# Altium PCB UltraZOhm_CarrierBoard.PcbDoc (part 5 of 12) (continued)
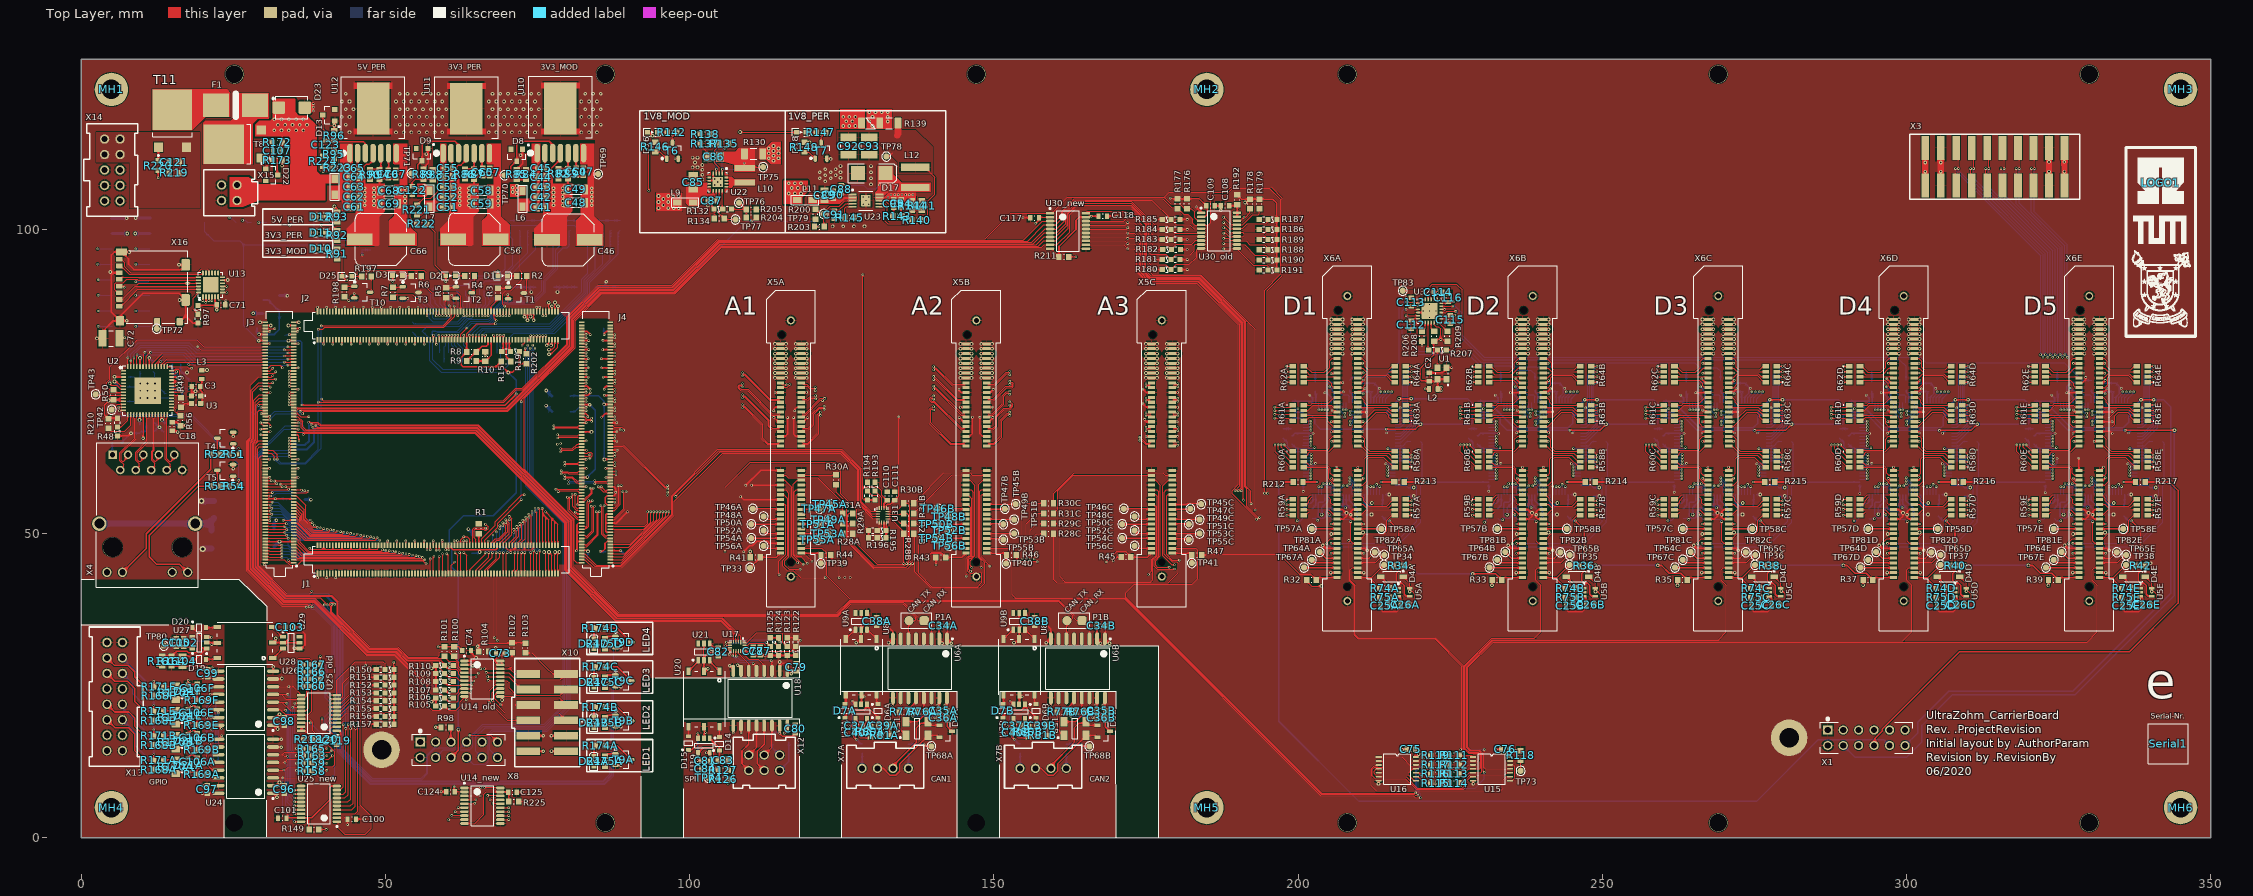
[diagram p0: Top Layer view]
## Nets (pads, with @x,y where several pads share a name; then routed paths per layer and width w, separated by ;. In a path a pad name is that pad's centre, name@x,y a point inside that pad or via, vN(x,y) a via of type N, cw(c..) or ccw(c..) an arc to the next point about the centre after c; other vN are vias at no path point) (continued)
  L04_Sig w0.1: v2(58.9,47.3) 58.9,46.7 59.2,46.4 59.2,45.3 60.4,44.1 111.6,44.1 115.5,48 181.969,48 203.669,26.3 249.063,26.3 256,33.237 256,58.163 257.837,60 v1(263.06,60)
  Bottom Layer w0.1: U4C.5@261.817,59.988 263.048,59.988 v1(263.06,60)
DIG_03_CH4: J3.28 U4D.5 | length 309.4
  Top Layer w0.1: J3.28@30.287,51.736 33.664,51.736 v1(33.75,51.65)
  L04_Sig w0.1: v1(44.85,49.95) 44.85,47.95 54.7,38.1 183.343,38.1 201.243,20.2 254.657,20.2 264.757,30.3 282.34,30.3 286.6,34.56 286.6,58.337 288.263,60 v1(293.54,60)
  Bottom Layer w0.1: v1(33.75,51.65) 34,51.65 35.95,49.7 44.6,49.7 v1(44.85,49.95) ; U4D.5@292.297,59.988 293.528,59.988 v1(293.54,60)
DIG_03_CH5: U4E.5 X3.4 | length 69.6
  Top Layer w0.1: X3.4@310.677,113.41 311,113.087 v1(311,110)
  L04_Sig w0.1: v1(323.199,79) 323.199,78.801 323.7,78.3 324.049,78.3 331.8,70.549 331.8,63.251 329.949,61.4 325.153,61.4 324.526,60.774 324.526,60.506 v1(324.02,60)
  Bottom Layer w0.1: v1(311,110) 311,108.397 323.199,96.198 v1(323.199,79) ; U4E.5@322.777,59.988 324.008,59.988 v1(324.02,60)
DIG_04_CH1: J4.85 U4A.6 | length 119.1
  Top Layer w0.1: J4.85@86.957,66.236 87.664,66.236 v2(87.7,66.2)
  L04_Sig w0.1: v2(87.7,66.2) 92.2,66.2 98.2,60.2 201.75,60.2 v1(202.1,60.55)
  Bottom Layer w0.1: U4A.6@200.857,60.488 202.038,60.488 v1(202.1,60.55)
DIG_04_CH2: J1.135 U4B.6 | length 204.3
  Top Layer w0.1: J1.135@72.372,43.451 72.372,46.872 v1(72.4,46.9)
  L04_Sig w0.1: v1(72.6,51.7) 72.6,51.483 72.883,51.2 109.886,51.2 112.886,54.2 184.592,54.2 206.292,32.5 220.357,32.5 225.4,37.543 225.4,58.849 226.751,60.2 232.23,60.2 v1(232.58,60.55)
  Bottom Layer w0.1: v1(72.4,46.9) 72.6,47.1 v1(72.6,51.7) ; U4B.6@231.337,60.488 232.518,60.488 v1(232.58,60.55)
DIG_04_CH3: J1.83 U4C.6 | length 249.3
  Top Layer w0.1: J1.83@59.372,43.451 59.4,43.479 v1(59.4,46.7)
  L04_Sig w0.1: v1(59.4,46.7) 59.4,45.4 60.5,44.3 111.517,44.3 115.417,48.2 182.051,48.2 203.751,26.5 248.98,26.5 255.8,33.32 255.8,58.246 257.754,60.2 262.71,60.2 v1(263.06,60.55)
  Bottom Layer w0.1: U4C.6@261.817,60.488 262.998,60.488 v1(263.06,60.55)
DIG_04_CH4: J3.27 U4D.6 | length 305.1
  Top Layer w0.1: J3.27@34.957,51.736 35.414,51.736 37.6,49.55 45.1,49.55 45.4,49.85 v1(45.4,49.95)
  L04_Sig w0.1: v1(45.4,49.95) 45.4,47.7 54.8,38.3 183.426,38.3 201.326,20.4 254.574,20.4 264.674,30.5 282.257,30.5 286.4,34.643 286.4,58.42 288.18,60.2 293.19,60.2 v1(293.54,60.55)
  Bottom Layer w0.1: U4D.6@292.297,60.488 293.478,60.488 v1(293.54,60.55)
DIG_04_CH5: U4E.6 X3.14 | length 68.6
  Top Layer w0.1: v1(310.5,110) 310.5,107.364 X3.14@310.677,107.187
  L04_Sig w0.1: v1(322.8,79.4) 322.8,78.8 323.5,78.1 323.966,78.1 331.6,70.466 331.6,63.334 329.866,61.6 325.07,61.6 v1(324.02,60.55)
  Bottom Layer w0.1: v1(310.5,110) 310.5,108.331 322.8,96.031 v1(322.8,79.4) ; U4E.6@322.777,60.488 323.958,60.488 v1(324.02,60.55)
DIG_05_CH1: J4.102 U4A.8 | length 125.7
  Top Layer w0.1: J4.102@82.287,70.236 82.99,70.236 v2(83,70.226)
  L04_Sig w0.1: v2(83,70.226) 83.542,70.226 86.125,67.643 91.057,67.643 98.3,60.4 201.05,60.4 v1(202.15,61.5)
  Bottom Layer w0.1: U4A.8@200.857,61.488 202.138,61.488 v1(202.15,61.5)
DIG_05_CH2: J1.136 U4B.8 | length 200.8
  Top Layer w0.1: J1.136@72.372,48.121 72.372,48.572 73,49.2 73,51.8 v1(72.6,52.2)
  L04_Sig w0.1: v1(72.6,52.2) 73.4,51.4 109.803,51.4 112.803,54.4 184.675,54.4 206.375,32.7 220.274,32.7 225.2,37.626 225.2,58.931 226.669,60.4 231.53,60.4 v1(232.63,61.5)
  Bottom Layer w0.1: U4B.8@231.337,61.488 232.618,61.488 v1(232.63,61.5)
DIG_05_CH3: J1.86 U4C.8 | length 247.5
  Top Layer w0.1: J1.86@59.872,48.121 59.9,48.093 v2(59.9,47.35)
  L04_Sig w0.1: v2(59.9,47.35) 59.9,47.05 59.75,46.9 59.75,45.35 60.6,44.5 111.434,44.5 115.334,48.4 182.134,48.4 203.834,26.7 248.897,26.7 255.6,33.403 255.6,58.328 257.672,60.4 262.01,60.4 v1(263.11,61.5)
  Bottom Layer w0.1: U4C.8@261.817,61.488 263.098,61.488 v1(263.11,61.5)
DIG_05_CH4: J3.26 U4D.8 | length 309.7
  Top Layer w0.1: J3.26@30.287,51.236 33.364,51.236 v1(33.5,51.1)
  L04_Sig w0.1: v1(45.95,49.75) 45.95,47.45 54.9,38.5 183.509,38.5 201.409,20.6 254.491,20.6 264.591,30.7 282.174,30.7 286.2,34.726 286.2,58.503 288.097,60.4 292.49,60.4 v1(293.59,61.5)
  Bottom Layer w0.1: v1(33.5,51.1) 34.25,51.1 35.85,49.5 45.7,49.5 v1(45.95,49.75) ; U4D.8@292.297,61.488 293.578,61.488 v1(293.59,61.5)
DIG_05_CH5: U4E.8 X3.3 | length 69.4
  Top Layer w0.1: X3.3@308.137,113.41 308.5,113.047 v1(308.5,110)
  L04_Sig w0.1: v1(322.4,79) 322.4,78.8 323.4,77.8 323.983,77.8 331.4,70.383 331.4,63.417 329.783,61.8 324.37,61.8 v1(324.07,61.5)
  Bottom Layer w0.1: v1(308.5,110) 308.5,109.766 322.4,95.866 v1(322.4,79) ; U4E.8@322.777,61.488 324.058,61.488 v1(324.07,61.5)
DIG_06_CH1: J4.104 U4A.9 | length 125.9
  Top Layer w0.1: J4.104@82.287,70.736 82.99,70.736 v2(83,70.746)
  L04_Sig w0.1: v2(83,70.746) 83.305,70.746 86.208,67.843 91.157,67.843 98.4,60.6 200.75,60.6 v1(202.15,62)
  Bottom Layer w0.1: U4A.9@200.857,61.988 202.138,61.988 v1(202.15,62)
DIG_06_CH2: J1.137 U4B.9 | length 204.8
  Top Layer w0.1: J1.137@72.872,43.451 72.9,43.479 v1(72.9,46.9)
  L04_Sig w0.1: v1(73.1,52.2) 73.1,52 73.5,51.6 109.72,51.6 112.72,54.6 184.757,54.6 206.457,32.9 220.191,32.9 225,37.709 225,59.014 226.586,60.6 231.23,60.6 v1(232.63,62)
  Bottom Layer w0.1: v1(72.9,46.9) 73.1,47.1 v1(73.1,52.2) ; U4B.9@231.337,61.988 232.618,61.988 v1(232.63,62)
DIG_06_CH3: J1.87 U4C.9 | length 249.1
  Top Layer w0.1: v1(60.1,46.7) 60.372,46.428 J1.87@60.372,43.451
  L04_Sig w0.1: v1(60.1,46.7) 60.1,45.3 60.7,44.7 111.351,44.7 115.251,48.6 182.217,48.6 203.917,26.9 248.814,26.9 255.4,33.486 255.4,58.411 257.589,60.6 261.71,60.6 v1(263.11,62)
  Bottom Layer w0.1: U4C.9@261.817,61.988 263.098,61.988 v1(263.11,62)
DIG_06_CH4: J3.25 U4D.9 | length 305.3
  Top Layer w0.1: J3.25@34.957,51.236 35.364,51.236 37.25,49.35 46.15,49.35 v1(46.5,49.7)
  L04_Sig w0.1: v1(46.5,49.7) 46.5,47.2 55,38.7 183.592,38.7 201.492,20.8 254.408,20.8 264.508,30.9 282.091,30.9 286,34.809 286,58.586 288.014,60.6 292.19,60.6 v1(293.59,62)
  Bottom Layer w0.1: U4D.9@292.297,61.988 293.578,61.988 v1(293.59,62)
DIG_06_CH5: U4E.9 X3.13 | length 68.4
  Top Layer w0.1: v1(308,110) 308,107.324 X3.13@308.137,107.187
  L04_Sig w0.1: v1(321.999,79.4) 321.999,78.801 323.2,77.6 323.9,77.6 331.2,70.3 331.2,63.5 329.7,62 v1(324.07,62)
  Bottom Layer w0.1: v1(308,110) 308,109.7 321.999,95.701 v1(321.999,79.4) ; U4E.9@322.777,61.988 324.058,61.988 v1(324.07,62)
DIG_07_CH1: J4.95 U4A.10 | length 120.5
  Top Layer w0.1: J4.95@86.957,68.736 87.664,68.736 v2(87.7,68.7)
  L04_Sig w0.1: v2(87.7,68.7) 90.6,68.7 98.5,60.8 200.45,60.8 v1(202.15,62.5)
  Bottom Layer w0.1: U4A.10@200.857,62.488 202.138,62.488 v1(202.15,62.5)
DIG_07_CH2: J1.140 U4B.10 | length 201.4
  Top Layer w0.1: v1(73.1,52.7) 73.5,52.3 73.5,48.249 J1.140@73.372,48.121 J1.140@73.372,48.431
  L04_Sig w0.1: v1(73.1,52.7) 73.5,52.3 73.5,52 73.7,51.8 109.637,51.8 112.637,54.8 184.84,54.8 206.54,33.1 220.108,33.1 224.8,37.792 224.8,59.097 226.503,60.8 230.93,60.8 v1(232.63,62.5)
  Bottom Layer w0.1: U4B.10@231.337,62.488 232.618,62.488 v1(232.63,62.5)
DIG_07_CH3: J1.88 U4C.10 | length 246.9
  Top Layer w0.1: J1.88@60.372,48.121 60.372,47.428 v2(60.45,47.35)
  L04_Sig w0.1: v2(60.45,47.35) 60.45,45.25 60.8,44.9 111.269,44.9 115.169,48.8 182.3,48.8 204,27.1 248.731,27.1 255.2,33.569 255.2,58.494 257.506,60.8 261.41,60.8 v1(263.11,62.5)
  Bottom Layer w0.1: U4C.10@261.817,62.488 263.098,62.488 v1(263.11,62.5)
DIG_07_CH4: J3.24 U4D.10 | length 309.8
  Top Layer w0.1: J3.24@30.287,50.736 33.714,50.736 v2(33.8,50.65)
  L04_Sig w0.1: v1(47.05,49.6) 47.05,46.95 55.1,38.9 183.675,38.9 201.575,21 254.325,21 264.425,31.1 282.008,31.1 285.8,34.892 285.8,58.669 287.931,60.8 291.89,60.8 v1(293.59,62.5)
  Bottom Layer w0.1: v2(33.8,50.65) 34.4,50.65 35.75,49.3 46.75,49.3 v1(47.05,49.6) ; U4D.10@292.297,62.488 293.578,62.488 v1(293.59,62.5)
DIG_07_CH5: J1.119 U4E.10 | length 308.8
  Top Layer w0.1: J1.119@68.372,43.451 68.372,32.528 v1(68.4,32.5)
  L04_Sig w0.1: v1(68.4,32.5) 68.8,32.9 181.189,32.9 199.089,15 256.883,15 266.983,25.1 289.508,25.1 296.008,31.6 312.608,31.6 317.8,36.792 317.8,59.992 318.608,60.8 322.37,60.8 v1(324.07,62.5)
  Bottom Layer w0.1: U4E.10@322.777,62.488 324.058,62.488 v1(324.07,62.5)
DIG_08_CH1: J4.97 U4A.11 | length 120.7
  Top Layer w0.1: J4.97@86.957,69.236 87.664,69.236 v2(87.7,69.2)
  L04_Sig w0.1: v2(87.7,69.2) 90.4,69.2 98.6,61 200.15,61 v1(202.15,63)
  Bottom Layer w0.1: U4A.11@200.857,62.988 202.138,62.988 v1(202.15,63)
DIG_08_CH2: J1.141 U4B.11 | length 205.3
  Top Layer w0.1: J1.141@73.872,43.451 73.872,46.872 v1(73.9,46.9)
  L04_Sig w0.1: v1(73.6,52.7) 73.7,52.6 73.7,52.2 73.9,52 109.554,52 112.554,55 184.923,55 206.623,33.3 220.025,33.3 224.6,37.875 224.6,59.18 226.42,61 230.63,61 v1(232.63,63)
  Bottom Layer w0.1: v1(73.6,52.7) 73.6,47.2 v1(73.9,46.9) ; U4B.11@231.337,62.988 232.618,62.988 v1(232.63,63)
DIG_08_CH3: J1.89 U4C.11 | length 245.3
  Top Layer w0.1: J1.89@60.9,43.479 J1.89@60.872,43.451 60.872,44.822 v1(61.4,45.35)
  L04_Sig w0.1: v1(61.4,45.35) 61.65,45.1 111.186,45.1 115.086,49 182.438,49 204.138,27.3 248.649,27.3 255,33.651 255,58.577 257.423,61 261.11,61 ; 261.11,61 v1(263.11,63)
  Bottom Layer w0.1: U4C.11@261.817,62.988 263.098,62.988 v1(263.11,63)
DIG_08_CH4: J3.23 U4D.11 | length 305.3
  Top Layer w0.1: J3.23@34.957,50.736 35.364,50.736 36.95,49.15 47.25,49.15 v1(47.6,49.5)
  L04_Sig w0.1: v1(47.6,49.5) 47.6,46.7 55.2,39.1 183.757,39.1 201.657,21.2 254.243,21.2 264.343,31.3 281.925,31.3 285.6,34.975 285.6,58.751 287.849,61 291.59,61 v1(293.59,63)
  Bottom Layer w0.1: U4D.11@292.297,62.988 293.578,62.988 v1(293.59,63)
DIG_08_CH5: J1.117 U4E.11 | length 308.9
  Top Layer w0.1: J1.117@67.872,43.451 67.872,32.928 v1(67.9,32.9)
  L04_Sig w0.1: v1(67.9,32.9) 68,32.9 68.2,33.1 181.272,33.1 199.172,15.2 256.8,15.2 266.9,25.3 289.425,25.3 295.925,31.8 312.525,31.8 317.6,36.875 317.6,60.075 318.525,61 322.07,61 v1(324.07,63)
  Bottom Layer w0.1: U4E.11@322.777,62.988 324.058,62.988 v1(324.07,63)
DIG_09_CH1: J4.101 U4A.14 | length 122.1
  Top Layer w0.1: J4.101@86.957,70.236 87.664,70.236 v2(87.7,70.2)
  L04_Sig w0.1: v2(87.7,70.2) 89.7,70.2 98.7,61.2 199.9,61.2 201.7,63 201.7,64.1 v1(202.1,64.5)
  Bottom Layer w0.1: U4A.14@200.857,64.488 200.869,64.5 v1(202.1,64.5)
DIG_09_CH2: J1.142 U4B.14 | length 202.4
  Top Layer w0.1: v1(73.6,53.2) 74,52.8 74,48.249 J1.142@73.872,48.121
  L04_Sig w0.1: v1(73.6,53.2) 74,52.8 74,52.4 74.2,52.2 109.472,52.2 112.472,55.2 185.006,55.2 206.706,33.5 219.943,33.5 224.4,37.957 224.4,59.263 226.337,61.2 230.38,61.2 232.18,63 232.18,64.1 232.58,64.5 v1(232.6,64.5)
  Bottom Layer w0.1: U4B.14@231.337,64.488 v1@232.587,64.487
DIG_09_CH3: J1.92 U4C.14 | length 248.3
  Top Layer w0.1: v2(61.3,48.85) 61.3,48.7 61.372,48.628 J1.92@61.372,48.121
  L04_Sig w0.1: v2(61.3,48.85) 61.1,48.65 61.1,46.745 61.25,46.595 61.25,46.05 62,45.3 111.103,45.3 115.003,49.2 182.521,49.2 204.221,27.5 248.566,27.5 254.8,33.734 254.8,58.66 257.34,61.2 260.86,61.2 262.66,63 262.66,64.1 263.01,64.45 v1(263.06,64.45)
  Bottom Layer w0.1: U4C.14@261.865,64.439 U4C.14@261.817,64.488 263.048,64.488 v1@263.06,64.5
DIG_09_CH4: J3.22 U4D.14 | length 310.7
  Top Layer w0.1: J3.22@30.287,50.236 33.464,50.236 v1(33.5,50.2)
  L04_Sig w0.1: v1(48.1,49.35) 48.1,46.5 55.3,39.3 183.84,39.3 201.74,21.4 254.16,21.4 264.26,31.5 281.843,31.5 285.4,35.057 285.4,58.834 287.766,61.2 291.34,61.2 293.14,63 293.14,64.1 v1@293.525,64.485
  Bottom Layer w0.1: v1(33.5,50.2) 34.55,50.2 35.65,49.1 47.85,49.1 v1(48.1,49.35) ; U4D.14@292.297,64.488 v1@293.54,64.488
  other v1: 293.54,64.47
DIG_09_CH5: J3.56 U4E.14 | length 349.9
  Top Layer w0.1: J3.56@30.287,58.736 31.214,58.736 v2(31.25,58.7)
  L04_Sig w0.1: v2(31.25,58.7) 31.25,58.05 34.85,54.45 34.85,50.9 39.45,46.3 52.45,33.3 181.355,33.3 199.255,15.4 256.649,15.4 266.749,25.5 289.343,25.5 295.843,32 312.443,32 317.4,36.957 317.4,60.157 318.443,61.2 321.82,61.2 323.62,63 323.62,64.1 v1@324.005,64.485
  Bottom Layer w0.1: U4E.14@322.784,64.48 U4E.14@322.777,64.488 323.992,64.488 v1@324,64.48
  other v1: 324.02,64.47
DIG_10_CH1: J4.103 U4A.15 | length 122.5
  Top Layer w0.1: J4.103@86.957,70.736 87.664,70.736 v2(87.7,70.7)
  L04_Sig w0.1: v2(87.7,70.7) 89.5,70.7 98.8,61.4 199.8,61.4 201.5,63.1 201.5,64.4 v1(202.1,65)
  Bottom Layer w0.1: U4A.15@200.857,64.988 202.088,64.988 v1(202.1,65)
DIG_10_CH2: J1.143 U4B.15 | length 206.7
  Top Layer w0.1: J1.143@74.372,43.451 74.394,43.473 74.394,47.2 v1(74.4,47.2)
  L04_Sig w0.1: v1(74.1,53.2) 74.2,53.1 74.2,52.5 74.3,52.4 109.389,52.4 112.389,55.4 185.089,55.4 206.789,33.7 219.86,33.7 224.2,38.04 224.2,59.346 226.254,61.4 230.28,61.4 231.98,63.1 231.98,64.4 v1(232.58,65)
  Bottom Layer w0.1: v1(74.1,53.2) 74.1,47.5 v1(74.4,47.2) ; U4B.15@231.337,64.988 232.568,64.988 v1(232.58,65)
DIG_10_CH3: J1.93 U4C.15 | length 248.9
  Top Layer w0.1: v1(61.45,46.9) 61.872,46.478 J1.93@61.872,43.451
  L04_Sig w0.1: v1(61.45,46.9) 61.5,46.85 61.5,46.1 62.1,45.5 111.02,45.5 114.92,49.4 182.603,49.4 204.303,27.7 248.483,27.7 254.6,33.817 254.6,58.743 257.257,61.4 260.76,61.4 262.46,63.1 262.46,64.4 v1(263.06,65)
  Bottom Layer w0.1: U4C.15@261.817,64.988 263.048,64.988 v1(263.06,65)
DIG_10_CH4: J3.21 U4D.15 | length 306.6
  Top Layer w0.1: J3.21@34.957,50.236 35.464,50.236 36.75,48.95 48.35,48.95 48.65,49.25 v1(48.65,49.35)
  L04_Sig w0.1: v1(48.65,49.35) 48.65,46.25 55.4,39.5 183.923,39.5 201.823,21.6 254.077,21.6 264.177,31.7 281.76,31.7 285.2,35.14 285.2,58.917 287.683,61.4 291.24,61.4 292.94,63.1 292.94,64.4 v1(293.54,65)
  Bottom Layer w0.1: U4D.15@292.297,64.988 293.528,64.988 v1(293.54,65)
DIG_10_CH5: J3.55 U4E.15 | length 351.9
  Top Layer w0.1: v1(31.8,58.65) 31.886,58.736 J3.55@34.957,58.736
  L04_Sig w0.1: v1(31.8,58.65) 31.8,57.8 35.05,54.55 35.05,51 52.55,33.5 181.438,33.5 199.338,15.6 256.566,15.6 266.666,25.7 289.26,25.7 295.76,32.2 312.36,32.2 317.2,37.04 317.2,60.24 318.36,61.4 321.72,61.4 323.42,63.1 323.42,64.4 v1(324.02,65)
  Bottom Layer w0.1: U4E.15@322.777,64.988 324.008,64.988 v1(324.02,65)
DIG_11_CH1: J4.107 U4A.16 | length 123.1
  Top Layer w0.1: J4.107@86.957,71.736 87.664,71.736 v2(87.7,71.7)
  L04_Sig w0.1: v2(87.7,71.7) 88.8,71.7 98.9,61.6 199.7,61.6 201.3,63.2 201.3,64.7 v1(202.1,65.5)
  Bottom Layer w0.1: U4A.16@200.857,65.488 202.088,65.488 v1(202.1,65.5)
DIG_11_CH2: J1.145 U4B.16 | length 207.6
  Top Layer w0.1: J1.145@74.872,43.451 74.872,46.872 v1(74.9,46.9)
  L04_Sig w0.1: v1(74.1,53.7) 74.5,53.3 74.5,53 74.9,52.6 109.306,52.6 112.306,55.6 185.172,55.6 206.872,33.9 219.777,33.9 224,38.123 224,59.428 226.172,61.6 230.18,61.6 231.78,63.2 231.78,64.7 v1(232.58,65.5)
  Bottom Layer w0.1: v1(74.1,53.7) 74.5,53.3 74.5,47.645 74.9,47.245 v1(74.9,46.9) ; U4B.16@231.337,65.488 232.568,65.488 v1(232.58,65.5)
DIG_11_CH3: J1.94 U4C.16 | length 247.8
  Top Layer w0.1: v2(61.85,48.85) 61.872,48.828 J1.94@61.872,48.121
  L04_Sig w0.1: v2(61.85,48.85) 61.85,46.05 62.1,45.8 62.2,45.7 110.937,45.7 114.837,49.6 182.686,49.6 204.386,27.9 248.4,27.9 254.4,33.9 254.4,58.825 257.175,61.6 260.66,61.6 262.26,63.2 262.26,64.7 v1(263.06,65.5)
  Bottom Layer w0.1: U4C.16@261.817,65.488 263.048,65.488 v1(263.06,65.5)
DIG_11_CH4: J3.20 U4D.16 | length 310.7
  Top Layer w0.1: J3.20@30.287,49.736 33.786,49.736 v2(33.8,49.75)
  L04_Sig w0.1: v2(49.1,48.95) 49.1,46.1 55.5,39.7 184.006,39.7 201.906,21.8 253.994,21.8 264.094,31.9 281.677,31.9 285,35.223 285,59 287.6,61.6 291.14,61.6 292.74,63.2 292.74,64.7 v1(293.54,65.5)
  Bottom Layer w0.1: v2(33.8,49.75) 34.7,49.75 35.55,48.9 49.05,48.9 v2(49.1,48.95) ; U4D.16@292.297,65.488 293.528,65.488 v1(293.54,65.5)
DIG_11_CH5: J3.54 U4E.16 | length 350
  Top Layer w0.1: J3.54@30.287,58.236 32.114,58.236 v1(32.15,58.2)
  L04_Sig w0.1: v1(32.15,58.2) 32.15,57.75 35.25,54.65 35.25,51.1 52.65,33.7 181.521,33.7 199.421,15.8 256.483,15.8 266.583,25.9 289.177,25.9 295.677,32.4 312.277,32.4 317,37.123 317,60.323 318.277,61.6 321.62,61.6 323.22,63.2 323.22,64.7 v1(324.02,65.5)
  Bottom Layer w0.1: U4E.16@322.777,65.488 324.008,65.488 v1(324.02,65.5)
DIG_12_CH1: J4.109 U4A.17 | length 123.4
  Top Layer w0.1: J4.109@86.957,72.236 87.664,72.236 v2(87.7,72.2)
  L04_Sig w0.1: v2(87.7,72.2) 88.6,72.2 99,61.8 199.6,61.8 201.1,63.3 201.1,65 v1(202.1,66)
  Bottom Layer w0.1: U4A.17@200.857,65.988 202.088,65.988 v1(202.1,66)
DIG_12_CH2: J1.146 U4B.17 | length 202.5
  Top Layer w0.1: v1(74.6,53.7) 74.872,53.428 J1.146@74.872,48.121
  L04_Sig w0.1: v1(74.6,53.7) 74.7,53.6 74.7,53.1 75,52.8 109.223,52.8 112.223,55.8 185.254,55.8 206.954,34.1 219.694,34.1 223.8,38.206 223.8,59.511 226.089,61.8 230.08,61.8 231.58,63.3 231.58,65 v1(232.58,66)
  Bottom Layer w0.1: U4B.17@231.337,65.988 232.568,65.988 v1(232.58,66)
DIG_12_CH3: J1.95 U4C.17 | length 248.4
  Top Layer w0.1: v1(62.2,46.9) 62.372,46.728 J1.95@62.372,43.451
  L04_Sig w0.1: v1(62.2,46.9) 62.2,46.2 62.35,46.05 62.5,45.9 110.854,45.9 114.754,49.8 182.769,49.8 204.469,28.1 248.317,28.1 254.2,33.983 254.2,58.933 257.067,61.8 260.56,61.8 262.06,63.3 262.06,65 v1(263.06,66)
  Bottom Layer w0.1: U4C.17@261.817,65.988 263.048,65.988 v1(263.06,66)
DIG_12_CH4: J3.19 U4D.17 | length 305.8
  Top Layer w0.1: J3.19@34.957,49.736 35.464,49.736 36,49.2 36,48.6 37.45,47.15 49.35,47.15 v2(49.55,47.35)
  L04_Sig w0.1: v2(49.55,47.35) 49.55,45.95 55.6,39.9 184.089,39.9 201.989,22 253.911,22 264.011,32.1 281.594,32.1 284.8,35.306 284.8,59.106 287.494,61.8 291.04,61.8 292.54,63.3 292.54,65 v1(293.54,66)
  Bottom Layer w0.1: U4D.17@292.297,65.988 293.528,65.988 v1(293.54,66)
DIG_12_CH5: J3.53 U4E.17 | length 350.1
  Top Layer w0.1: v1(32.7,58.15) 32.786,58.236 J3.53@34.957,58.236
  L04_Sig w0.1: v1(32.7,58.15) 32.7,57.5 35.45,54.75 35.45,51.2 39.749,46.901 52.75,33.9 181.603,33.9 199.503,16 256.4,16 266.5,26.1 289.094,26.1 295.594,32.6 312.194,32.6 316.8,37.206 316.8,60.406 318.194,61.8 321.52,61.8 323.02,63.3 323.02,65 v1(324.02,66)
  Bottom Layer w0.1: U4E.17@322.777,65.988 324.008,65.988 v1(324.02,66)
DIG_13_CH1: J4.113 U4A.19 | length 124.5
  Top Layer w0.1: J4.113@86.957,73.236 87.664,73.236 v2(87.7,73.2)
  L04_Sig w0.1: v2(87.7,73.2) 87.9,73.2 99.1,62 199.5,62 200.9,63.4 200.9,65.8 v1(202.1,67)
  Bottom Layer w0.1: U4A.19@200.857,66.988 202.088,66.988 v1(202.1,67)
DIG_13_CH2: J1.147 U4B.19 | length 208.8
  Top Layer w0.1: J1.147@75.372,43.451 75.394,43.473 75.394,47.2 v1(75.4,47.2)
  L04_Sig w0.1: v1(74.6,54.2) 75,53.8 75,53.2 75.2,53 109.14,53 112.14,56 185.337,56 207.037,34.3 219.611,34.3 223.6,38.289 223.6,59.594 226.006,62 229.98,62 231.38,63.4 231.38,65.8 v1(232.58,67)
  Bottom Layer w0.1: v1(74.6,54.2) 75,53.8 75,47.6 v1(75.4,47.2) ; U4B.19@231.337,66.988 232.568,66.988 v1(232.58,67)
DIG_13_CH3: J1.98 U4C.19 | length 247.9
  Top Layer w0.1: J1.98@62.872,48.121 62.872,48.822 v2(62.9,48.85)
  L04_Sig w0.1: v2(62.9,48.85) 62.55,48.5 62.55,46.35 62.8,46.1 110.772,46.1 114.672,50 182.852,50 204.552,28.3 248.234,28.3 254,34.066 254,59.016 256.984,62 260.46,62 261.86,63.4 261.86,65.8 v1(263.06,67)
  Bottom Layer w0.1: U4C.19@261.817,66.988 263.048,66.988 v1(263.06,67)
DIG_13_CH4: J3.18 U4D.19 | length 311.4
  Top Layer w0.1: J3.18@30.287,49.236 34.036,49.236 v2(34.05,49.25)
  L04_Sig w0.1: v1@50.1,47.25 50.1,45.7 55.7,40.1 184.172,40.1 202.072,22.2 253.828,22.2 263.928,32.3 281.511,32.3 284.6,35.389 284.6,59.189 287.411,62 290.94,62 292.34,63.4 292.34,65.8 v1(293.54,67)
  Bottom Layer w0.1: v2(34.05,49.25) 34.05,48.2 35.3,46.95 49.8,46.95 v1@50.1,47.25 ; U4D.19@292.297,66.988 293.528,66.988 v1(293.54,67)
  other v1: 50.1,47.3
DIG_13_CH5: J3.52 U4E.19 | length 350.5
  Top Layer w0.1: J3.52@30.287,57.736 33.014,57.736 v1(33.05,57.7)
  L04_Sig w0.1: v1(33.05,57.7) 33.05,57.5 35.65,54.9 35.65,51.3 39.836,47.114 52.85,34.1 181.686,34.1 199.586,16.2 256.318,16.2 266.418,26.3 289.011,26.3 295.511,32.8 312.111,32.8 316.6,37.289 316.6,60.489 318.111,62 321.42,62 322.82,63.4 322.82,65.8 v1(324.02,67)
  Bottom Layer w0.1: U4E.19@322.777,66.988 324.008,66.988 v1(324.02,67)
DIG_14_CH1: J4.115 U4A.20 | length 124.9
  Top Layer w0.1: J4.115@86.957,73.736 87.664,73.736 v2(87.7,73.7)
  L04_Sig w0.1: v2(87.7,73.7) 99.2,62.2 199.4,62.2 200.7,63.5 200.7,66.1 v1(202.1,67.5)
  Bottom Layer w0.1: U4A.20@200.857,67.488 202.088,67.488 v1(202.1,67.5)
DIG_14_CH2: J1.148 U4B.20 | length 203.6
  Top Layer w0.1: v1(75.1,54.2) 75.372,53.928 J1.148@75.372,48.121
  L04_Sig w0.1: v1(75.1,54.2) 75.2,54.1 75.2,53.4 75.4,53.2 109.057,53.2 112.057,56.2 185.42,56.2 207.12,34.5 219.528,34.5 223.4,38.372 223.4,59.677 225.923,62.2 229.88,62.2 231.18,63.5 231.18,66.1 v1(232.58,67.5)
  Bottom Layer w0.1: U4B.20@231.337,67.488 232.568,67.488 v1(232.58,67.5)
DIG_14_CH3: J1.99 U4C.20 | length 248.5
  Top Layer w0.1: v1(62.9,46.9) 63.372,46.428 J1.99@63.372,43.451
  L04_Sig w0.1: v1(62.9,46.9) 62.9,46.4 63,46.3 110.689,46.3 114.589,50.2 182.935,50.2 204.635,28.5 248.151,28.5 253.8,34.149 253.8,59.098 256.902,62.2 260.36,62.2 261.66,63.5 261.66,66.1 v1(263.06,67.5)
  Bottom Layer w0.1: U4C.20@261.817,67.488 263.048,67.488 v1(263.06,67.5)
DIG_14_CH4: J3.17 U4D.20 | length 306.5
  Top Layer w0.1: J3.17@34.957,49.236 35.364,49.236 35.7,48.9 35.7,48.5 37.25,46.95 50.45,46.95 v1@50.675,47.175
  L04_Sig w0.1: v1@50.65,47.15 50.65,45.45 55.8,40.3 184.254,40.3 202.154,22.4 253.746,22.4 263.846,32.5 281.428,32.5 284.4,35.472 284.4,59.272 287.328,62.2 290.84,62.2 292.14,63.5 292.14,66.1 v1(293.54,67.5)
  Bottom Layer w0.1: U4D.20@292.297,67.488 293.528,67.488 v1(293.54,67.5)
  other v1: 50.65,47.2
DIG_14_CH5: J3.51 U4E.20 | length 348.7
  Top Layer w0.1: v1(33.65,57.7) 34.921,57.7 J3.51@34.957,57.736
  L04_Sig w0.1: v1(33.65,57.7) 33.65,57.2 35.85,55 35.85,51.4 52.95,34.3 181.769,34.3 199.669,16.4 256.235,16.4 266.335,26.5 288.928,26.5 295.428,33 312.028,33 316.4,37.372 316.4,60.572 318.028,62.2 321.32,62.2 322.62,63.5 322.62,66.1 v1(324.02,67.5)
  Bottom Layer w0.1: U4E.20@322.777,67.488 324.008,67.488 v1(324.02,67.5)
DIG_15_CH1: J4.119 U4A.21 | length 125.9
  Top Layer w0.1: J4.119@86.957,74.736 87.664,74.736 v2(87.7,74.7)
  L04_Sig w0.1: v2(87.7,74.7) 88.2,74.2 88.2,73.5 99.3,62.4 199.3,62.4 200.5,63.6 200.5,66.4 v1(202.1,68)
  Bottom Layer w0.1: U4A.21@200.857,67.988 202.088,67.988 v1(202.1,68)
DIG_15_CH2: J4.1 U4B.21 | length 188.7
  Top Layer w0.1: J4.1@86.957,45.236 88.736,45.236 96.6,53.1 v1(96.6,53.6)
  L04_Sig w0.1: v1(96.6,53.6) 96.8,53.8 109.346,53.8 111.946,56.4 185.503,56.4 207.203,34.7 219.446,34.7 223.2,38.454 223.2,59.76 225.84,62.4 229.78,62.4 230.98,63.6 230.98,66.4 v1(232.58,68)
  Bottom Layer w0.1: U4B.21@231.337,67.988 232.568,67.988 v1(232.58,68)
DIG_15_CH3: J1.100 U4C.21 | length 247
  Top Layer w0.1: J1.100@63.372,48.121 63.372,48.822 v2(63.4,48.85)
  L04_Sig w0.1: v2(63.4,48.85) 63.4,46.7 63.6,46.5 110.606,46.5 114.506,50.4 183.018,50.4 204.718,28.7 248.069,28.7 253.6,34.231 253.6,59.181 256.819,62.4 260.26,62.4 261.46,63.6 261.46,66.4 v1(263.06,68)
  Bottom Layer w0.1: U4C.21@261.817,67.988 263.048,67.988 v1(263.06,68)
DIG_15_CH4: J3.14 U4D.21 | length 310.8
  Top Layer w0.1: J3.14@30.287,48.236 30.323,48.2 32.3,48.2 32.4,48.1 v1(33,48.1)
  L04_Sig w0.1: v1@51.2,47.05 51.2,45.2 55.9,40.5 184.337,40.5 202.237,22.6 253.663,22.6 263.763,32.7 281.346,32.7 284.2,35.554 284.2,59.354 287.246,62.4 290.74,62.4 291.94,63.6 291.94,66.4 v1(293.54,68)
  Bottom Layer w0.1: v1(33,48.1) 33.85,48.1 35.2,46.75 50.9,46.75 v1@51.2,47.05 ; U4D.21@292.297,67.988 293.528,67.988 v1(293.54,68)
  other v1: 51.2,47.1
DIG_15_CH5: J3.50 U4E.21 | length 350.6
  Top Layer w0.1: J3.50@30.287,57.236 34.036,57.236 v1(34.1,57.3)
  L04_Sig w0.1: v1(34.1,57.3) 36.05,55.35 36.05,51.5 40.012,47.538 53.05,34.5 181.852,34.5 199.752,16.6 256.152,16.6 266.252,26.7 288.846,26.7 295.346,33.2 311.946,33.2 316.2,37.454 316.2,60.654 317.946,62.4 321.22,62.4 322.42,63.6 322.42,66.4 v1(324.02,68)
  Bottom Layer w0.1: U4E.21@322.777,67.988 324.008,67.988 v1(324.02,68)
DIG_16_CH1: J4.121 U4A.22 | length 126.4
  Top Layer w0.1: J4.121@86.957,75.236 87.664,75.236 v2(87.7,75.2)
  L04_Sig w0.1: v2(87.7,75.2) 88.4,74.5 88.4,73.583 99.383,62.6 199.2,62.6 200.3,63.7 200.3,66.7 v1(202.1,68.5)
  Bottom Layer w0.1: U4A.22@200.857,68.488 202.088,68.488 v1(202.1,68.5)
DIG_16_CH2: J4.3 U4B.22 | length 188.9
  Top Layer w0.1: J4.3@86.957,45.736 88.936,45.736 96.1,52.9 v1(96.1,53.6)
  L04_Sig w0.1: v1(96.1,53.6) 96.5,54 109.263,54 111.863,56.6 185.586,56.6 207.286,34.9 219.363,34.9 223,38.537 223,59.843 225.757,62.6 229.68,62.6 230.78,63.7 230.78,66.7 v1(232.58,68.5)
  Bottom Layer w0.1: U4B.22@231.337,68.488 232.568,68.488 v1(232.58,68.5)
DIG_16_CH3: J1.101 U4C.22 | length 248.5
  Top Layer w0.1: J1.101@63.872,43.451 63.872,44.072 66.4,46.6 v1(66.4,46.9)
  L04_Sig w0.1: v1(67.691,49.784) 67.716,49.784 69.9,47.6 111.4,47.6 114.4,50.6 183.101,50.6 204.8,28.9 247.986,28.9 253.4,34.314 253.4,59.264 256.736,62.6 260.16,62.6 261.26,63.7 261.26,66.7 v1(263.06,68.5)
  Bottom Layer w0.1: v1(66.4,46.9) 67.7,48.2 67.691,48.209 v1(67.691,49.784) ; U4C.22@261.817,68.488 263.048,68.488 v1(263.06,68.5)
DIG_16_CH4: J3.13 U4D.22 | length 306.4
  Top Layer w0.1: J3.13@34.957,48.236 35.464,48.236 36.95,46.75 51.55,46.75 v1@51.775,46.975
  L04_Sig w0.1: v1@51.75,46.95 51.75,44.95 56,40.7 184.42,40.7 202.32,22.8 253.58,22.8 263.68,32.9 281.263,32.9 284,35.637 284,59.437 287.163,62.6 290.64,62.6 291.74,63.7 291.74,66.7 v1(293.54,68.5)
  Bottom Layer w0.1: U4D.22@292.297,68.488 293.528,68.488 v1(293.54,68.5)
  other v1: 51.75,47
DIG_16_CH5: J3.49 U4E.22 | length 347.1
  Top Layer w0.1: J3.49@34.957,57.236 36.164,57.236 v1(36.25,57.15)
  L04_Sig w0.1: v1(36.25,57.15) 36.25,51.6 53.15,34.7 181.935,34.7 199.835,16.8 256.069,16.8 266.169,26.9 288.763,26.9 295.263,33.4 311.863,33.4 316,37.537 316,60.737 317.863,62.6 321.12,62.6 322.22,63.7 322.22,66.7 v1(324.02,68.5)
  Bottom Layer w0.1: U4E.22@322.777,68.488 324.008,68.488 v1(324.02,68.5)
DIG_17_CH1: J4.125 U4A.28 | length 129.2
  Top Layer w0.1: J4.125@86.957,76.236 87.664,76.236 v2(87.7,76.2)
  L04_Sig w0.1: v2(87.7,76.2) 88.6,75.3 88.6,73.666 99.466,62.8 199.1,62.8 200.1,63.8 200.1,67.05 v1(203.4,70.35)
  Bottom Layer w0.1: v1(203.4,70.35) 203.4,71.531 U4A.28@203.407,71.538
DIG_17_CH2: J4.5 U4B.28 | length 191
  Top Layer w0.1: J4.5@86.957,46.236 89.136,46.236 95.6,52.7 v1(95.6,53.6)
  L04_Sig w0.1: v1(95.6,53.6) 96.2,54.2 109.18,54.2 111.78,56.8 185.669,56.8 207.369,35.1 219.28,35.1 222.8,38.62 222.8,59.925 225.675,62.8 229.58,62.8 230.58,63.8 230.58,67.05 v1(233.88,70.35)
  Bottom Layer w0.1: v1(233.88,70.35) 233.88,71.531 U4B.28@233.887,71.538